# Altium PCB main_board.PcbDoc (part 2 of 2) (continued)
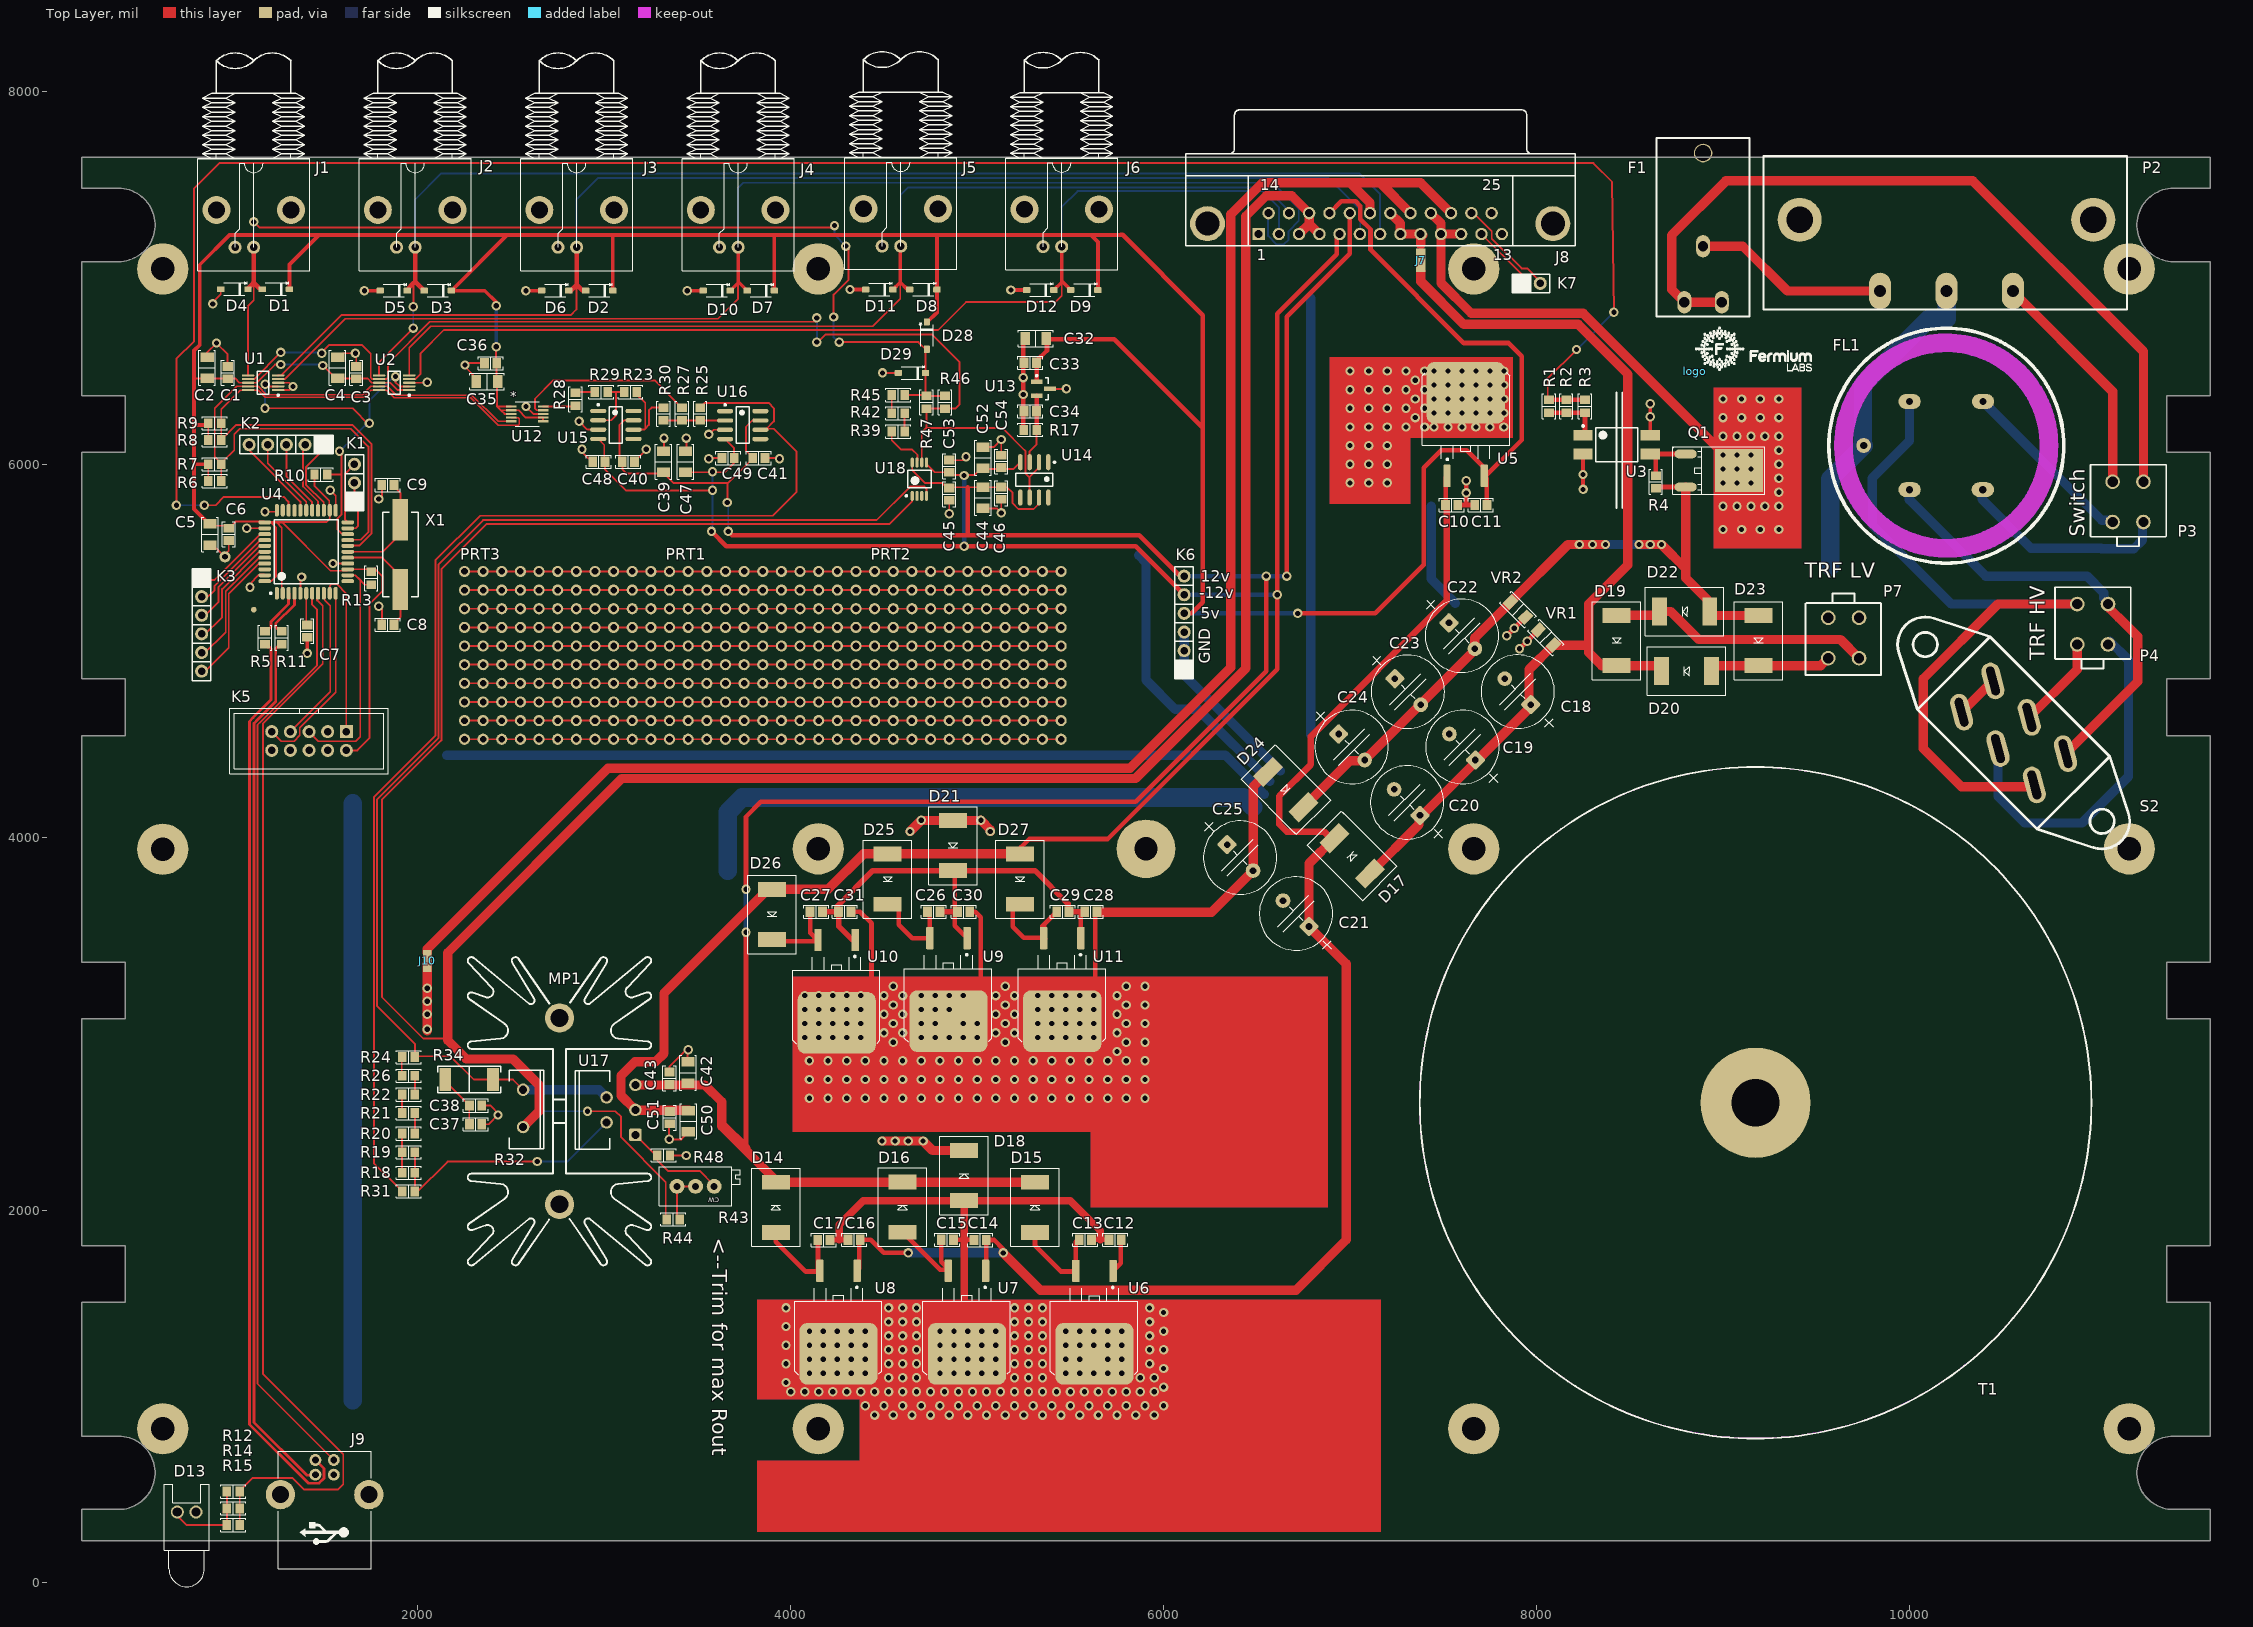
[diagram p0: Top Layer view]
## Nets (pads, with @x,y where several pads share a name; then routed paths per layer and width w, separated by ;. In a path a pad name is that pad's centre, name@x,y a point inside that pad or via, vN(x,y) a via of type N, cw(c..) or ccw(c..) an arc to the next point about the centre after c; other vN are vias at no path point) (continued)
NetD13_2: D13.2 R12.1 R14.1 R15.1 | length 493
  Top Layer w10: D13.2@710,360 760,310 R15.1@975.55,310 ; R14.1@957.91,380 975.55,397.64 R15.1@975.55,314.45 ; R14.1@975.55,400 R12.1@975.55,490
  Top Layer w25: R15.1@975.55,314.45 977.78,312.22 R15.1@980,310 ; R14.1@975.55,397.64 R14.1@975.55,400
NetD19_A: D19.A D22.K P7.1 | length 1361.8
  Top Layer w50: D19.A@8480,5180 8490,5190 8650,5190 D22.K@8660,5200 ; D22.K@8660,5210 8720,5210 8870,5060 9630,5060 P7.1@9730,4960
NetD20_A: D20.A D23.K P7.2 | length 654.6
  Top Layer w50: D20.A@8939.06,4890 8969.06,4920 D23.K@9190,4920 9524.65,4920 P7.2@9564.65,4960
NetF1_1: F1.1 P2.1 | length 1048.4
  Top Layer w50: F1.1@8893.5,7169.09 9105.91,7169.09 9345.87,6929.13 P2.1@9842.52,6929.13
NetF1_2: F1.2 P3.2 | length 4317.4
  Top Layer w50: F1.2@8993.9,6868.9 F1.2@8793.11,6868.9 8725,6937.01 8725,7228.94 9015.75,7519.69 10340.31,7519.69 ; 10340,7520 10340.31,7519.69 ; P3.2@11255.35,5906.54 11255.35,6604.65 10340.31,7519.69
NetFL1_1: FL1.1 P3.3 | length 943.6
  Bottom Layer w50: FL1.1@10395,6336.5 11031.5,5700 P3.3@11075,5700
NetFL1_2: FL1.2 P4.1 S2.2 | length 4075.3
  Top Layer w50: S2.2@10670.04,4279.96 10670.04,4270.75 10279.25,4270.75 10075,4475 10075,4850 10475,5250 P4.1@10900,5250
  Bottom Layer w50: FL1.2@10001,6336.5 10001,6126 9800,5925 9800,5675 10225,5250 P4.1@10900,5250
NetFL1_4: FL1.4 P4.2 S2.1 | length 2374
  Top Layer w50: S2.1@10837.62,4447.55 11225,4834.93 11225,5076.21 11124.63,5176.57 11123.43,5176.57 P4.2@11075,5225
  Bottom Layer w50: FL1.4@10000,5860 10000,5809.5 10409.5,5400 10952.39,5400 11043.11,5309.28 11043.11,5281.89 P4.2@11075,5250
NetFL1_5: FL1.5 P3.4 | length 1143.3
  Bottom Layer w50: FL1.5@10390,5860 10390,5812.5 10652.5,5550 11027.61,5550 11030.72,5546.89 11203.28,5546.89 11250,5593.61 P3.4@11250,5700
NetJ9_1: J9.1 U4.7 | length 4962.1
  Top Layer w10: U4.7@1432.99,5308.03 1432.99,5247.01 1460,5220 1460,4922.63 1160,4622.63 1140,4602.63 1140,1068.37 J9.1@1549.21,659.16
NetP2_3: P2.3 P3.1 | length 1244.1
  Top Layer w50: P2.3@10555.12,6929.13 10555.12,6925.2 11060.16,6420.16 ; 11060,6420 11090,6390 P3.1@11090,5906.54
NetP4_3: P4.3 S2.3 | length 488.8
  Top Layer w50: S2.3@10643.13,4642.59 10900,4899.45 P4.3@10900,5025
NetP4_4: P4.4 S2.4 | length 1884.7
  Bottom Layer w50: S2.4@10475,4475 10475,4219.61 10618.9,4075.71 10925.71,4075.71 11175,4325 11175,4950 P4.4@11075,5050
NetPRT1_1: PRT1.1 PRT2.1 PRT3.1 | length 3225
  Top Layer w10: PRT3.1@2250,5400 PRT3.1@2250,5425 PRT3.1@2350,5425 PRT3.1@2450,5425 PRT3.1@2550,5425 PRT3.1@2650,5425 PRT3.1@2750,5425 PRT3.1@2850,5425 PRT3.1@2950,5425 PRT3.1@3050,5425 PRT3.1@3150,5425 PRT3.1@3250,5425 PRT1.1@3350,5425 PRT1.1@3450,5425 PRT1.1@3550,5425 PRT1.1@3650,5425 PRT1.1@3750,5425 PRT1.1@3850,5425 PRT1.1@3950,5425 PRT1.1@4050,5425 PRT1.1@4150,5425 PRT1.1@4250,5425 PRT1.1@4350,5425 PRT2.1@4450,5425 PRT2.1@4550,5425 PRT2.1@4650,5425 PRT2.1@4750,5425 PRT2.1@4850,5425 PRT2.1@4950,5425 PRT2.1@5050,5425 PRT2.1@5150,5425 PRT2.1@5250,5425 PRT2.1@5350,5425 PRT2.1@5450,5425
NetPRT1_2: PRT1.2 PRT2.2 PRT3.2 | length 3200
  Top Layer w10: PRT3.2@2250,5325 PRT3.2@2350,5325 PRT3.2@2450,5325 PRT3.2@2550,5325 PRT3.2@2650,5325 PRT3.2@2750,5325 PRT3.2@2850,5325 PRT3.2@2950,5325 PRT3.2@3050,5325 PRT3.2@3150,5325 PRT3.2@3250,5325 PRT1.2@3350,5325 PRT1.2@3450,5325 PRT1.2@3550,5325 PRT1.2@3650,5325 PRT1.2@3750,5325 PRT1.2@3850,5325 PRT1.2@3950,5325 PRT1.2@4050,5325 PRT1.2@4150,5325 PRT1.2@4250,5325 PRT1.2@4350,5325 PRT2.2@4450,5325 PRT2.2@4550,5325 PRT2.2@4650,5325 PRT2.2@4750,5325 PRT2.2@4850,5325 PRT2.2@4950,5325 PRT2.2@5050,5325 PRT2.2@5150,5325 PRT2.2@5250,5325 PRT2.2@5350,5325 PRT2.2@5450,5325
NetPRT1_3: PRT1.3 PRT2.3 PRT3.3 | length 3210.4
  Top Layer w10: PRT3.3@2250,5225 PRT3.3@2350,5225 PRT3.3@2450,5225 PRT3.3@2550,5225 PRT3.3@2650,5225 PRT3.3@2750,5225 PRT3.3@2850,5225 PRT3.3@2950,5225 PRT3.3@3050,5225 PRT3.3@3150,5225 PRT3.3@3250,5225 PRT1.3@3350,5225 PRT1.3@3450,5225 PRT1.3@3550,5225 PRT1.3@3650,5225 PRT1.3@3750,5225 PRT1.3@3850,5225 PRT1.3@3950,5225 PRT1.3@4050,5225 PRT1.3@4150,5225 PRT1.3@4250,5225 PRT1.3@4350,5225 PRT2.3@4450,5225 PRT2.3@4550,5225 PRT2.3@4650,5225 PRT2.3@4750,5225 PRT2.3@4850,5225 PRT2.3@4950,5225 PRT2.3@5050,5225 PRT2.3@5150,5225 PRT2.3@5250,5225 PRT2.3@5350,5225 5425,5225 PRT2.3@5450,5200
NetPRT1_4: PRT1.4 PRT2.4 PRT3.4 | length 3200
  Top Layer w10: PRT3.4@2250,5125 PRT3.4@2350,5125 PRT3.4@2450,5125 PRT3.4@2550,5125 PRT3.4@2650,5125 PRT3.4@2750,5125 PRT3.4@2850,5125 PRT3.4@2950,5125 PRT3.4@3050,5125 PRT3.4@3150,5125 PRT3.4@3250,5125 PRT1.4@3350,5125 PRT1.4@3450,5125 PRT1.4@3550,5125 PRT1.4@3650,5125 PRT1.4@3750,5125 PRT1.4@3850,5125 PRT1.4@3950,5125 PRT1.4@4050,5125 PRT1.4@4150,5125 PRT1.4@4250,5125 PRT1.4@4350,5125 PRT2.4@4450,5125 PRT2.4@4550,5125 PRT2.4@4650,5125 PRT2.4@4750,5125 PRT2.4@4850,5125 PRT2.4@4950,5125 PRT2.4@5050,5125 PRT2.4@5150,5125 PRT2.4@5250,5125 PRT2.4@5350,5125 PRT2.4@5450,5125
NetPRT1_5: PRT1.5 PRT2.5 PRT3.5 | length 3210.4
  Top Layer w10: PRT3.5@2250,5025 PRT3.5@2350,5025 PRT3.5@2450,5025 PRT3.5@2550,5025 PRT3.5@2650,5025 PRT3.5@2750,5025 PRT3.5@2850,5025 PRT3.5@2950,5025 PRT3.5@3050,5025 PRT3.5@3150,5025 PRT3.5@3250,5025 PRT1.5@3350,5025 PRT1.5@3450,5025 PRT1.5@3550,5025 PRT1.5@3650,5025 PRT1.5@3750,5025 PRT1.5@3850,5025 PRT1.5@3950,5025 PRT1.5@4050,5025 PRT1.5@4150,5025 PRT1.5@4250,5025 PRT1.5@4350,5025 PRT2.5@4450,5025 PRT2.5@4550,5025 PRT2.5@4650,5025 PRT2.5@4750,5025 PRT2.5@4850,5025 PRT2.5@4950,5025 PRT2.5@5050,5025 PRT2.5@5150,5025 PRT2.5@5250,5025 PRT2.5@5350,5025 5425,5025 PRT2.5@5450,5000
NetPRT1_6: PRT1.6 PRT2.6 PRT3.6 | length 3210.4
  Top Layer w10: PRT3.6@2250,4900 2275,4925 PRT3.6@2350,4925 PRT3.6@2450,4925 PRT3.6@2550,4925 PRT3.6@2650,4925 PRT3.6@2750,4925 PRT3.6@2850,4925 PRT3.6@2950,4925 PRT3.6@3050,4925 PRT3.6@3150,4925 PRT3.6@3250,4925 PRT1.6@3350,4925 PRT1.6@3450,4925 PRT1.6@3550,4925 PRT1.6@3650,4925 PRT1.6@3750,4925 PRT1.6@3850,4925 PRT1.6@3950,4925 PRT1.6@4050,4925 PRT1.6@4150,4925 PRT1.6@4250,4925 PRT1.6@4350,4925 PRT2.6@4450,4925 PRT2.6@4550,4925 PRT2.6@4650,4925 PRT2.6@4750,4925 PRT2.6@4850,4925 PRT2.6@4950,4925 PRT2.6@5050,4925 PRT2.6@5150,4925 PRT2.6@5250,4925 PRT2.6@5350,4925 PRT2.6@5450,4925
NetPRT1_7: PRT1.7 PRT2.7 PRT3.7 | length 3200
  Top Layer w10: PRT3.7@2250,4825 PRT3.7@2350,4825 PRT3.7@2450,4825 PRT3.7@2550,4825 PRT3.7@2650,4825 PRT3.7@2750,4825 PRT3.7@2850,4825 PRT3.7@2950,4825 PRT3.7@3050,4825 PRT3.7@3150,4825 PRT3.7@3250,4825 PRT1.7@3350,4825 PRT1.7@3450,4825 PRT1.7@3550,4825 PRT1.7@3650,4825 PRT1.7@3750,4825 PRT1.7@3850,4825 PRT1.7@3950,4825 PRT1.7@4050,4825 PRT1.7@4150,4825 PRT1.7@4250,4825 PRT1.7@4350,4825 PRT2.7@4450,4825 PRT2.7@4550,4825 PRT2.7@4650,4825 PRT2.7@4750,4825 PRT2.7@4850,4825 PRT2.7@4950,4825 PRT2.7@5050,4825 PRT2.7@5150,4825 PRT2.7@5250,4825 PRT2.7@5350,4825 PRT2.7@5450,4825
NetPRT1_8: PRT1.8 PRT2.8 PRT3.8 | length 3210.4
  Top Layer w10: PRT3.8@2250,4725 PRT3.8@2350,4725 PRT3.8@2450,4725 PRT3.8@2550,4725 PRT3.8@2650,4725 PRT3.8@2750,4725 PRT3.8@2850,4725 PRT3.8@2950,4725 PRT3.8@3050,4725 PRT3.8@3150,4725 PRT3.8@3250,4725 PRT1.8@3350,4725 PRT1.8@3450,4725 PRT1.8@3550,4725 PRT1.8@3650,4725 PRT1.8@3750,4725 PRT1.8@3850,4725 PRT1.8@3950,4725 PRT1.8@4050,4725 PRT1.8@4150,4725 PRT1.8@4250,4725 PRT1.8@4350,4725 PRT2.8@4450,4725 PRT2.8@4550,4725 PRT2.8@4650,4725 PRT2.8@4750,4725 PRT2.8@4850,4725 PRT2.8@4950,4725 PRT2.8@5050,4725 PRT2.8@5150,4725 PRT2.8@5250,4725 PRT2.8@5350,4725 5425,4725 PRT2.8@5450,4700
NetPRT1_9: PRT1.9 PRT2.9 PRT3.9 | length 3210.4
  Top Layer w10: PRT3.9@2250,4600 2275,4625 PRT3.9@2350,4625 PRT3.9@2450,4625 PRT3.9@2550,4625 PRT3.9@2650,4625 PRT3.9@2750,4625 PRT3.9@2850,4625 PRT3.9@2950,4625 PRT3.9@3050,4625 PRT3.9@3150,4625 PRT3.9@3250,4625 PRT1.9@3350,4625 PRT1.9@3450,4625 PRT1.9@3550,4625 PRT1.9@3650,4625 PRT1.9@3750,4625 PRT1.9@3850,4625 PRT1.9@3950,4625 PRT1.9@4050,4625 PRT1.9@4150,4625 PRT1.9@4250,4625 PRT1.9@4350,4625 PRT2.9@4450,4625 PRT2.9@4550,4625 PRT2.9@4650,4625 PRT2.9@4750,4625 PRT2.9@4850,4625 PRT2.9@4950,4625 PRT2.9@5050,4625 PRT2.9@5150,4625 PRT2.9@5250,4625 PRT2.9@5350,4625 PRT2.9@5450,4625
NetPRT1_10: PRT1.10 PRT2.10 PRT3.10 | length 3200
  Top Layer w10: PRT3.10@2250,4525 PRT3.10@2350,4525 PRT3.10@2450,4525 PRT3.10@2550,4525 PRT3.10@2650,4525 PRT3.10@2750,4525 PRT3.10@2850,4525 PRT3.10@2950,4525 PRT3.10@3050,4525 PRT3.10@3150,4525 PRT3.10@3250,4525 PRT1.10@3350,4525 PRT1.10@3450,4525 PRT1.10@3550,4525 PRT1.10@3650,4525 PRT1.10@3750,4525 PRT1.10@3850,4525 PRT1.10@3950,4525 PRT1.10@4050,4525 PRT1.10@4150,4525 PRT1.10@4250,4525 PRT1.10@4350,4525 PRT2.10@4450,4525 PRT2.10@4550,4525 PRT2.10@4650,4525 PRT2.10@4750,4525 PRT2.10@4850,4525 PRT2.10@4950,4525 PRT2.10@5050,4525 PRT2.10@5150,4525 PRT2.10@5250,4525 PRT2.10@5350,4525 PRT2.10@5450,4525
NetQ1_G: Q1.G R4.2 U3.3 | length 295.4
  Top Layer w25: U3.3@8610,6055 Q1.G@8799.88,6055 ; R4.2@8639.88,5939.45 U3.3@8639.88,6045
NetR1_1: R1.1 R2.1 R3.1 U3.1 | length 304.4
  Top Layer w25: R1.1@8066.48,6276.1 R3.1@8259.62,6276.1 ; U3.1@8259.88,6165.12 R3.1@8259.88,6276.36
NetR18_1: R18.1 R19.1 R20.1 | length 231.8
  Top Layer w10: R20.1@1915.55,2430 R20.1@1915.55,2410 R19.1@1915.55,2310 1915.55,2204.45 R18.1@1920,2200
NetR18_2: R18.2 R19.2 R31.2 U17.2 | length 1397.3
  Top Layer w10: R18.2@1980,2200 1984.45,2204.45 R18.2@1984.45,2215.55 ; 1984.45,2130 R18.2@1984.45,2215.55 ; R19.2@1984.45,2330 R19.2@1984.45,2310 R18.2@1984.45,2215.55 ; R31.2@1990,2090 2160,2260 v1(2640,2260)
  Bottom Layer w10: v1(2640,2260) 2802.27,2260 U17.2@3012.41,2470.15
NetR20_2: R20.2 R21.2 | length 92.3
  Top Layer w10: R20.2@1984.45,2410 1984.45,2494.45 R21.2@1990,2500
NetR21_1: R21.1 R22.1 | length 101.8
  Top Layer w10: R22.1@1915.55,2620 1915.55,2524.45 R21.1@1920,2520
NetR22_2: R22.2 R26.2 | length 102.3
  Top Layer w10: R26.2@1984.45,2720 1984.45,2625.55 R22.2@1990,2620
NetR23_1: R23.1 R30.2 U15.6 | length 471.8
  Top Layer w10: U15.6@3156.46,6185.63 3214.13,6185.63 3219.45,6190.95 ; R23.1@3175.16,6387.8 3175.16,6373.03 3219.45,6328.74 3219.45,6190.95 ; R30.2@3317.87,6304.13 3253.9,6304.13 3239.13,6289.37 3239.13,6210.63 3219.45,6190.95
NetR23_2: R23.2 R29.1 U15.2 | length 320.6
  Top Layer w10: U15.2@2967.48,6235.63 3036.97,6235.63 3061.97,6260.63 3061.97,6387.8 ; R29.1@3017.68,6387.8 3061.97,6387.8 ; R23.2@3106.26,6387.8 3061.97,6387.8
NetR24_1: R24.1 R32.1 R34.2 U17.4 U18.4 | length 6863.8
  Top Layer w10: 1780,3111.95 1780,3140 1780,4200 2110,4530 2110,5460 2350,5700 4460,5700 4640,5880 4717.37,5880 4728.39,5868.98 U18.4@4728.39,5830.43 ; 1780,3125 1780,3095 1984.45,2890.55 R24.1@1984.45,2825 ; R24.1@1984.45,2820 R24.1@1984.45,2825 ; R32.1@2540,2660 R32.1@2560,2640 ; R32.1@2565,2645 2510,2700 R34.2@2402.95,2700 2300,2700 2175,2825 R24.1@1984.45,2825
  Bottom Layer w10: U17.4@3009.2,2600.8 U17.4@3010,2600
  Bottom Layer w50: R32.1@2560,2645 R32.1@2565,2645 2971.42,2645 U17.4@3012.41,2604.01
NetR24_2: R24.2 R26.1 | length 101
  Top Layer w10: R26.1@1910,2720 1913.55,2723.55 R24.2@1913.55,2819.5
NetR25_1: R25.1 R31.1 U16.6 | length 6644.7
  Top Layer w10: R31.1@1915.55,2100 1764,2251.55 1764,4214 2094,4544 2094,5484 2333.5,5723.5 3903.5,5723.5 4030,5850 4030,6070 3910,6190 3870,6190 3910,6230 3910,6300 3881.26,6328.74 3539.33,6328.74 R25.1@3514.73,6304.13
NetR25_2: R25.2 R27.1 R30.1 U16.2 | length 330.3
  Top Layer w10: R30.1@3317.87,6235.24 R27.1@3416.3,6235.24 R25.2@3514.73,6235.24 3515.12,6234.84 U16.2@3647.99,6234.84
NetR27_2: R27.2 U12.9 | length 989.3
  Top Layer w10: U12.9@2671.95,6289.69 2637.64,6289.69 2627.48,6299.84 2627.48,6349.84 2727.48,6449.84 3270.59,6449.84 R27.2@3416.3,6304.13
NetR28_1: R28.1 R29.2 | length 105.4
  Top Layer w10: R28.1@2845.43,6382.87 2850.36,6387.8 R29.2@2948.78,6387.8
NetR28_2: R28.2 U12.10 | length 175.4
  Top Layer w10: U12.10@2671.95,6309.37 2840.83,6309.37 R28.2@2845.43,6313.98
NetR39_1: R39.1 R42.2 | length 98.4
  Top Layer w10: R39.1@4610.63,6175.04 R42.2@4610.63,6273.47
NetR39_2: R39.2 U18.7 | length 251.6
  Top Layer w10: R39.2@4541.73,6175.04 4541.73,6128.27 4590,6080 4650,6080 4680,6050 U18.7@4680,6020 ; U18.7@4679.87,6020.13 U18.7@4679.87,6024.25
NetR42_1: R42.1 R45.2 | length 98.4
  Top Layer w10: R42.1@4541.73,6273.47 R45.2@4541.73,6371.89
NetR43_1: R43.1 R48.1 U17.1 | length 542.2
  Top Layer w10: U17.1@3166.75,2403.22 3280.96,2289 R48.1@3283,2289 ; R48.1@3283.55,2293 3283.55,2267.45 3341,2210 3511,2210 R43.1@3583,2138
NetR43_2: R43.2 R43.3 R44.2 | length 301.3
  Top Layer w10: R44.2@3400,1930 3389.5,1940.5 R43.2@3389.5,2127 R43.3@3489.5,2127
NetS2_5: S2.5 S2.6 | length 250.5
  Top Layer w50: S2.6@10280.11,4669.89 10450,4839.78 S2.5@10450,4850
PWMOUT: R1.2 R2.2 R3.2 U4.31 | length 11635.1
  Top Layer w10: v1(705,5780) 705,6565 800,6660 800,7480 935,7615 8305,7615 8405,7515 v1(8415,6815) ; v1(855,5780) 915,5780 960,5825 1280,5825 1305,5800 ; U4.31@1307.01,5752.91 1307.01,5800 ; R1.2@8060,6345 8060,6460 v1(8215,6615)
  Top Layer w25: R1.2@8066.48,6345 R3.2@8259.62,6345
  Bottom Layer w10: v1(705,5780) v1(855,5780) ; v1@8210,6610 v1(8215,6615) v1(8415,6815)
RDY: R10.1 U1.2 U2.2 U4.20 | length 2019.4
  Top Layer w10: v1(1180,6300) 1650,6300 v1@1740,6210 ; v1(1181,6429) 1181,6431 1194.6,6417.4 U1.2@1250.71,6417.4 ; R10.1@1514.45,5945 1590,5945 ; v1(1580,6070) 1590,6060 1590,5945 ; U4.20@1623.94,5624.96 1595.04,5624.96 1570,5650 1570,5709.45 1590,5729.45 1590,5945 ; v1(1880,6470) 1880,6440 1902.6,6417.4 U2.2@1953.62,6417.4
  Bottom Layer w10: v1(1180,6300) 1181,6301 v1(1181,6429) ; v1(1580,6070) v1@1740,6230 ; v1(1740,6220) v1@1740,6230 ; v1@1870,6470 1740,6340 v1@1740,6230
RESET: K5.5 R13.1 U4.13 | length 1305.3
  Top Layer w8: K5.5@1416.5,4565.47 1466.5,4515.47 1666.5,4515.47 1690,4538.98 1690,5378.98 1664.49,5404.49 U4.13@1623.94,5404.49 ; 1680,5390 1715.47,5354.53 R13.1@1750,5354.53
SAMPLE-I_N: J8.19 J8.21 J8.23 J10.2 | length 9127.7
  Top Layer w50: J10.2@2050,3380 2050,3400 3020,4370 5820,4370 6360,4910 6360,5729.65 ; 6360,5740 6360,7340 6530,7510 7000,7510 ; J8.19@7107.07,7346.54 7107.07,7402.93 7000,7510 ; 7165.5,7505.5 J8.21@7324.47,7346.54 ; J8.23@7541.87,7346.54 7378.41,7510 7000,7510
SAMPLE-I_P: J8.3 J8.4 J8.16 R32.2 R44.1 U18.1 | length 16080.3
  Top Layer w10: 2150,2920 2030,2920 1807.5,3142.5 1807.5,4200 2126,4518.5 2126,5437.11 2368.89,5680 4530,5680 4650,5800 U18.1@4650,5830 ; v1(2910,2530) 3060,2530 3090,2500 3090,2390 3330,2150 R44.1@3330,1950
  Top Layer w50: R32.2@2565,2445 2650,2530 2650,2670 2510,2810 2260,2810 2160,2910 2160,3380 3094,4314 5849,4314 6440,4905 6440,7330 6550,7440 6687.5,7440 J8.16@6780.97,7346.54 6780.97,7289.08 ; J8.3@6726.61,7234.72 6780.97,7289.08 ; J8.4@6835.32,7234.72 6780.97,7289.08
  Bottom Layer w10: R32.2@2565,2445 2650,2530 v1(2910,2530)
SPI-MISO: K5.9 U4.11 | length 1025.4
  Top Layer w8: K5.9@1216.5,4565.47 1266.49,4515.47 1336.5,4515.47 1366.5,4545.47 1366.5,4585.47 1558.98,4777.95 U4.11@1558.98,5308.03
SPI-MOSI: K5.1 U4.10 | length 891.9
  Top Layer w8: U4.10@1527.48,5308.03 1527.48,5346.46 1536.5,5355.47 1566.5,5355.47 1616.5,5305.47 K5.1@1616.5,4565.47
SPI-SCK: K5.7 U4.9 | length 845.1
  Top Layer w8: K5.7@1316.5,4565.47 1530,4778.98 1530,5240 1500,5270 1500,5304.02 U4.9@1495.98,5308.03
Temp: D2.A D6.K J3.1 J8.6 U1.5 | length 6917.5
  Top Layer w10: U1.5@1250.71,6476.46 1251.25,6477 1267,6477 1590,6800 2820,6800 2850,6830 2850,6960 ; 2851.81,6967 2855,6967
  Top Layer w25: D6.K@2809.68,6931.02 D6.K@2820.02,6931.02 ; D6.K@2818,6929 D6.K@2820.02,6931.02 ; J3.1@2851.81,7164.09 2851.81,6967 2851.81,6962.81 ; D2.A@2890,6930 2884.62,6930 2851.81,6962.81 ; D2.A@2890,6932 D2.A@2892,6934 ; D2.A@2893.94,6931.02 D2.A@2900.24,6931.02 ; D6.K@2820.02,6931.02 2851.81,6962.81
  Bottom Layer w10: J3.1@2851.81,7164.09 2851.81,7421.81 2965,7535 6885,7535 7055,7365 J8.6@7055,7225
USBD_N: J9.2 R5.2 | length 4909.6
  Top Layer w15: R5.2@1180,5035.55 1195.14,5020.41 1203.71,5020.41 1212.5,5011.63 1212.5,4736.65 1116.5,4640.65 1096.5,4620.65 1096.5,850.51 1412.09,534.92 1469.64,534.92 1496.29,561.57 1496.29,613.66 J9.2@1450.79,659.16
USBD_P: J9.3 R11.2 | length 4689.3
  Top Layer w15: R11.2@1270,5035.55 1254.86,5020.41 1246.29,5020.41 1237.5,5011.63 1237.5,4726.29 1141.5,4630.29 1121.5,4610.29 1121.5,860.86 1405.08,577.29 1447.66,577.29 J9.3@1450.79,580.42
Vh: D9.A D12.K J6.1 J8.2 U2.4 | length 5733.6
  Top Layer w10: U2.4@1953.62,6456.77 1953.85,6457 1985.63,6457 2015,6486.37 2015,6595 2140,6720 4790,6720 4940,6870 5420,6870 5453.39,6903.39 5453.39,6976.3
  Top Layer w20: D12.K@5411.26,6934.17 5453.39,6976.3 5453.39,6982.6 ; J6.1@5453.39,7167.24 5453.39,6982.6 ; D9.A@5501.81,6934.17 5453.39,6982.6
  Bottom Layer w10: 5452,7380 5453.39,7380 ; J6.1@5453.39,7167.24 5453.39,7380 ; J8.2@6617.91,7234.72 6617.91,7378.09 6531,7465 5539,7465 5454,7380 5453.39,7380
VhAmp: D8.A D11.K J5.1 J8.15 U2.5 | length 5731.5
  Top Layer w10: U2.5@1953.62,6476.46 1953.62,6623.62 2070,6740 4440,6740 4587.24,6887.24 4587.24,6976.3
  Top Layer w20: D11.K@4547.87,6936.93 4587.24,6976.3 ; J5.1@4587.24,7167.24 4587.24,6976.3 ; D8.A@4638.43,6936.93 4626.61,6936.93 4587.24,6976.3
  Bottom Layer w10: J5.1@4590,7170 4590,7445 4630,7485 6545,7485 6670,7360 J8.15@6670,7345
Vr: D7.A D10.K J4.1 J8.14 U1.4 | length 6878.9
  Top Layer w10: U1.4@1250.71,6456.77 1251.03,6457.09 1251.03,6457 1287,6457 1610,6780 3610,6780 3717.95,6887.95 3717.95,6973.15
  Top Layer w20: D10.K@3675.83,6931.02 3717.95,6973.15 ; J4.1@3717.95,7164.09 3717.95,6973.15 ; D7.A@3766.38,6931.02 3724.25,6973.15 3717.95,6973.15
  Bottom Layer w10: J4.1@3717.95,7164.09 3717.95,7482.05 3745.9,7510 6585,7510 6725,7370 6725,7305 6670,7250 6670,7205 6645,7180 6605,7180 6560,7225 J8.14@6560,7335
XTAL_N: C9.1 U4.17 X1.2 | length 602.4
  Top Layer w10: U4.17@1623.94,5530.47 1811.5,5530.47 X1.2@1906.5,5625.47 ; C9.1@1864.76,5888.66 1868.01,5885.41 1868.76,5884.66 1906.5,5846.93 X1.2@1906.5,5702.48
  Top Layer w15: X1.2@1906.5,5625.47 X1.2@1906.5,5702.48
XTAL_P: C8.1 U4.16 X1.1 | length 603.6
  Top Layer w10: U4.16@1623.94,5498.98 1810,5498.98 X1.1@1906.5,5402.48 ; C8.1@1864.76,5138.66 1906.5,5180.39 X1.1@1906.5,5328.46
  Top Layer w15: X1.1@1906.5,5328.46 X1.1@1906.5,5402.48
pads on no net: D1.0 D2.0 D3.0 D4.0 D5.0 D6.0 D7.0 D8.0 D9.0 D10.0 D11.0 D12.0 D28.0 D29.0 F1.4 K5.3 MP1.1 P2.NC T1.NC U4.1 U4.12 U4.30 U4.32 U4.42 U5.0 U6.0 U7.0 U8.0 U9.0 U10.0 U11.0 U14.1 U14.5 U14.8 U15.1 U15.5 U15.8 U16.1 U16.5 U16.8 U17.0 U18.2 U18.3

## Polygon pours and split planes (outlines as drawn)
GND on Bottom Layer "gnd-cc-gen" (solid, pour order 16): 1970,1220.47 3730,1220.47 3730,3858.27 1970,3858.27
GND on Bottom Layer "db25-ground" (solid, pour order 8): 6102.36,7637.8 6102.36,6875 8346.46,6875 8346.46,7637.8
GND on Bottom Layer "adcs_ground" (solid, pour order 12): 590,6760 2190,6760 2190,6270 2140,6270 590,6270
GND on Bottom Layer "mcu-ground" (solid, pour order 0): 590.55,4133.86 2190,4133.86 2190,6280 590.55,6280
GND on Bottom Layer "usb_led_ground" (solid, remove dead copper, pour order 14): 610,1040 1900,1040 1900,230 610,230
GND on Bottom Layer "gnd-5V" (solid, remove dead copper, pour order 24): 7913.39,5748.03 7913.39,6692.91 6850.39,6692.91 6850.39,6653.54 6850.39,5748.03
GND on Bottom Layer "bncs-ground" (solid, pour order 6): 780,7637.8 780,6771.65 6023.62,6771.65 6023.62,7637.8
GND on Bottom Layer "dac_and_inverting_amps-ground" (solid, pour order 10): 3995,6780 3995,5787.4 2200,5787.4 2200,6780
GND on Bottom Layer "gnd-cc_meas" (solid, pour order 22): 6023.62,6780 6023.62,5472.44 3980,5472.44 3980,6780
GND on Bottom Layer "pwr_input-ground" (solid, pour order 4): 9921.26,4842.52 9921.26,5275.59 9690,5511.81 9680,5511.81 9448.82,5511.81 8779.53,5511.81 8779.53,6496.06 7952.76,6496.06 7952.76,5748.03 6152.36,3947.64 6858.92,3241.08 8484.25,4842.52 8503.94,4842.52
GND on Bottom Layer "gnd--12v" (solid, pour order 20): 3818.9,4105 3818.9,3228.35 6574.8,3228.35 6574.8,4105
GND on Bottom Layer "gnd-power-supply-mixed" (solid, pour order 28): 6496.06,4212.6 7165.35,3543.31 7165.36,1505.48 6496.06,1505.48
GND on Bottom Layer "GND-12v" (solid, remove dead copper, pour order 30): 3820,1500 6880,1500 6880,3280 3820,3280
NetC25_2 on Multi-Layer "-12v-radiator" (solid): 3820,3250 3820,2250 6400,2250 6400,3250

## Other copper
Multi-Layer:
  rectangle net GND: 6889.76,6141.73 7874.02,6574.8
  region net GND: 7322.84,5787.4 7322.84,6299.21 6889.76,6299.21 6889.76,5787.4
  region net Heater_N: 8950,6410 8950,5550 9420,5550 9420,6410
  region net NetC25_2: 4010,3250 4010,2420 6880,2420 6880,3250
  region net NetC12_2: 4370.08,1520 4370.08,275.59 7165.35,275.59 7165.35,1520
  region net NetC12_2: 3820,1520 3820,984.25 4527.56,984.25 4527.56,1520
  region net NetC12_2: 3820,653.86 3820,275.59 4527.56,275.59 4527.56,653.86
  region net NetC25_2: 5610,2425 5610,2015 6880,2015 6880,2425

## Silkscreen, mask and mechanical layers (free items; w line width, h text height)
Top Overlay:
  lines w10: 8429.88,5765 8429.88,6385 ; 8459.88,5765 8459.88,6385
  text "Switch" at 10940,5610 h80 r90
  text "TRF LV" at 9440,5390 h80
  text "12v" at 6200,5370 h60
  text "-12v" at 6190,5280 h60
  text "5v" at 6200,5170 h60
  text "TRF HV" at 10725,4950 h80 r90
  text "GND" at 6250,4930 h60 r90
  text "<--Trim for max Rout" at 3580,1850 h80 r270
Top Solder:
  region: 9329.88,6285 8959.88,6285 8959.88,6125 9249.88,6125 9249.88,5805 8959.88,5805 8959.88,5645 9329.88,5645
Mechanical 1:
  circle w10: c631.89,826.77 r118.11
  circle w10: c631.89,3937.01 r118.11
  circle w10: c631.89,7047.24 r118.11
  circle w10: c4147.64,826.77 r118.11
  circle w10: c4147.64,3937.01 r118.11
  circle w10: c4147.64,7047.24 r118.11
  circle w10: c7663.39,826.77 r118.11
  circle w10: c7663.39,3937.01 r118.11
  circle w10: c7663.39,7047.24 r118.11
  circle w10: c11179.13,826.77 r118.11
  circle w10: c11179.13,3937.01 r118.11
  circle w10: c11179.13,7047.24 r118.11
  circle w10: c5905.51,3937.01 r118.11
  circle w10: c393.7,7283.46 r157.48
  circle w10: c11417.32,7283.46 r157.48
  circle w10: c393.7,590.55 r157.48
  circle w10: c11417.32,590.55 r157.48
  circle w10: c7663.39,7047.24 r55.12
  circle w10: c11179.13,7047.24 r55.12
  circle w10: c7663.39,3937.01 r55.12
  circle w10: c11179.13,3937.01 r55.12
  circle w10: c11179.13,826.77 r55.12
  circle w10: c7663.39,826.77 r55.12
  circle w10: c4147.64,3937.01 r55.12
  circle w10: c4147.64,7047.24 r55.12
  circle w10: c631.89,7047.24 r55.12
  circle w10: c631.89,3937.01 r55.12
  circle w10: c4147.64,826.77 r55.12
  circle w10: c631.89,826.77 r55.12
  circle w10: c5905.51,3937.01 r55.12
  lines w10: 295.28,590.55 492.13,590.55 ; 295.28,7283.47 492.13,7283.47 ; 393.7,492.13 393.7,688.98 ; 393.7,7185.04 393.7,7381.89 ; 533.47,826.77 730.32,826.77 ; 533.47,3937.01 730.32,3937.01 ; 533.47,7047.24 730.32,7047.24 ; 631.89,728.35 631.89,925.2 ; 631.89,3838.58 631.89,4035.43 ; 631.89,6948.82 631.89,7145.67 ; 4049.21,826.77 4246.06,826.77 ; 4049.21,3937.01 4246.06,3937.01 ; 4049.21,7047.24 4246.06,7047.24 ; 4147.64,728.35 4147.64,925.2 ; 4147.64,3838.58 4147.64,4035.43 ; 4147.64,6948.82 4147.64,7145.67 ; 5807.09,3937.01 6003.94,3937.01 ; 5905.51,3838.58 5905.51,4035.43 ; 7564.96,826.77 7761.81,826.77 ; 7564.96,3937.01 7761.81,3937.01 ; 7564.96,7047.24 7761.81,7047.24 ; 7663.39,728.35 7663.39,925.2 ; 7663.39,3838.58 7663.39,4035.43 ; 7663.39,6948.82 7663.39,7145.67 ; 11080.71,826.77 11277.56,826.77 ; 11080.71,3937.01 11277.56,3937.01 ; 11080.71,7047.24 11277.56,7047.24 ; 11179.13,728.35 11179.13,925.2 ; 11179.13,3838.58 11179.13,4035.43 ; 11179.13,6948.82 11179.13,7145.67 ; 11318.9,590.55 11515.75,590.55 ; 11318.9,7283.47 11515.75,7283.47 ; 11417.32,492.13 11417.32,688.98 ; 11417.32,7185.04 11417.32,7381.89 ; 196.85,226.38 196.85,393.7 393.7,393.7 ccw(c393.7,590.55) 393.7,787.4 196.85,787.4 196.85,1505.48 429.99,1505.48 429.99,1629.28 429.99,1657.48 429.99,1713.89 429.99,1685.69 429.99,1809.49 196.85,1809.49 196.85,3025.16 429.99,3025.16 429.99,3148.96 429.99,3177.17 429.99,3233.57 429.99,3205.37 429.99,3329.17 196.85,3329.17 196.85,4544.85 429.99,4544.85 429.99,4668.65 429.99,4696.85 429.99,4753.26 429.99,4725.06 429.99,4848.86 196.85,4848.86 196.85,6064.53 429.99,6064.53 429.99,6188.33 429.99,6216.54 429.99,6272.94 429.99,6244.74 429.99,6368.54 196.85,6368.54 196.85,7086.61 393.7,7086.61 ccw(c393.7,7283.46) 393.7,7480.31 196.85,7480.32 196.85,7647.64 11614.17,7647.64 11614.17,7480.32 11417.32,7480.32 ccw(c11417.32,7283.46) 11417.32,7086.61 11614.17,7086.61 11614.17,6368.54 11381.04,6368.54 11381.04,6244.74 11381.04,6272.94 11381.04,6216.54 11381.04,6188.33 11381.04,6064.53 11614.17,6064.53 11614.17,4848.86 11381.04,4848.86 11381.04,4725.06 11381.04,4753.26 11381.04,4696.85 11381.04,4668.65 11381.04,4544.85 11614.17,4544.85 11614.17,3329.17 11381.04,3329.17 11381.04,3205.37 11381.04,3233.57 11381.04,3177.17 11381.04,3148.96 11381.04,3025.16 11614.17,3025.16 11614.17,1809.49 11381.04,1809.49 11381.04,1685.69 11381.04,1713.89 11381.04,1657.48 11381.04,1629.28 11381.04,1505.48 11614.17,1505.48 11614.17,787.4 11417.32,787.4 ccw(c11417.32,590.55) 11417.32,393.7 11614.17,393.7 11614.17,226.38 196.85,226.38
Mechanical 2:
  circle w10: c393.7,590.55 r64.96
  circle w10: c393.7,7283.46 r64.96
  circle w10: c11417.32,7283.46 r64.96
  circle w10: c11417.32,590.55 r64.96

## Text inside footprints (layer, text, board x,y; h text height)
J8: Top Overlay "13" at 7769.33,7094.76 h59.06; Top Overlay "25" at 7710.06,7468.78 h59.06; Top Overlay "14" at 6519.27,7468.78 h59.06; Top Overlay "1" at 6499.37,7094.76 h59.06
R43: Top Overlay "CW" at 3617.06,2065.31 h25 r180
U12: Top Overlay "*" at 2496.44,6340 h50